# KiCad board UFC_Main.kicad_pcb (continued)
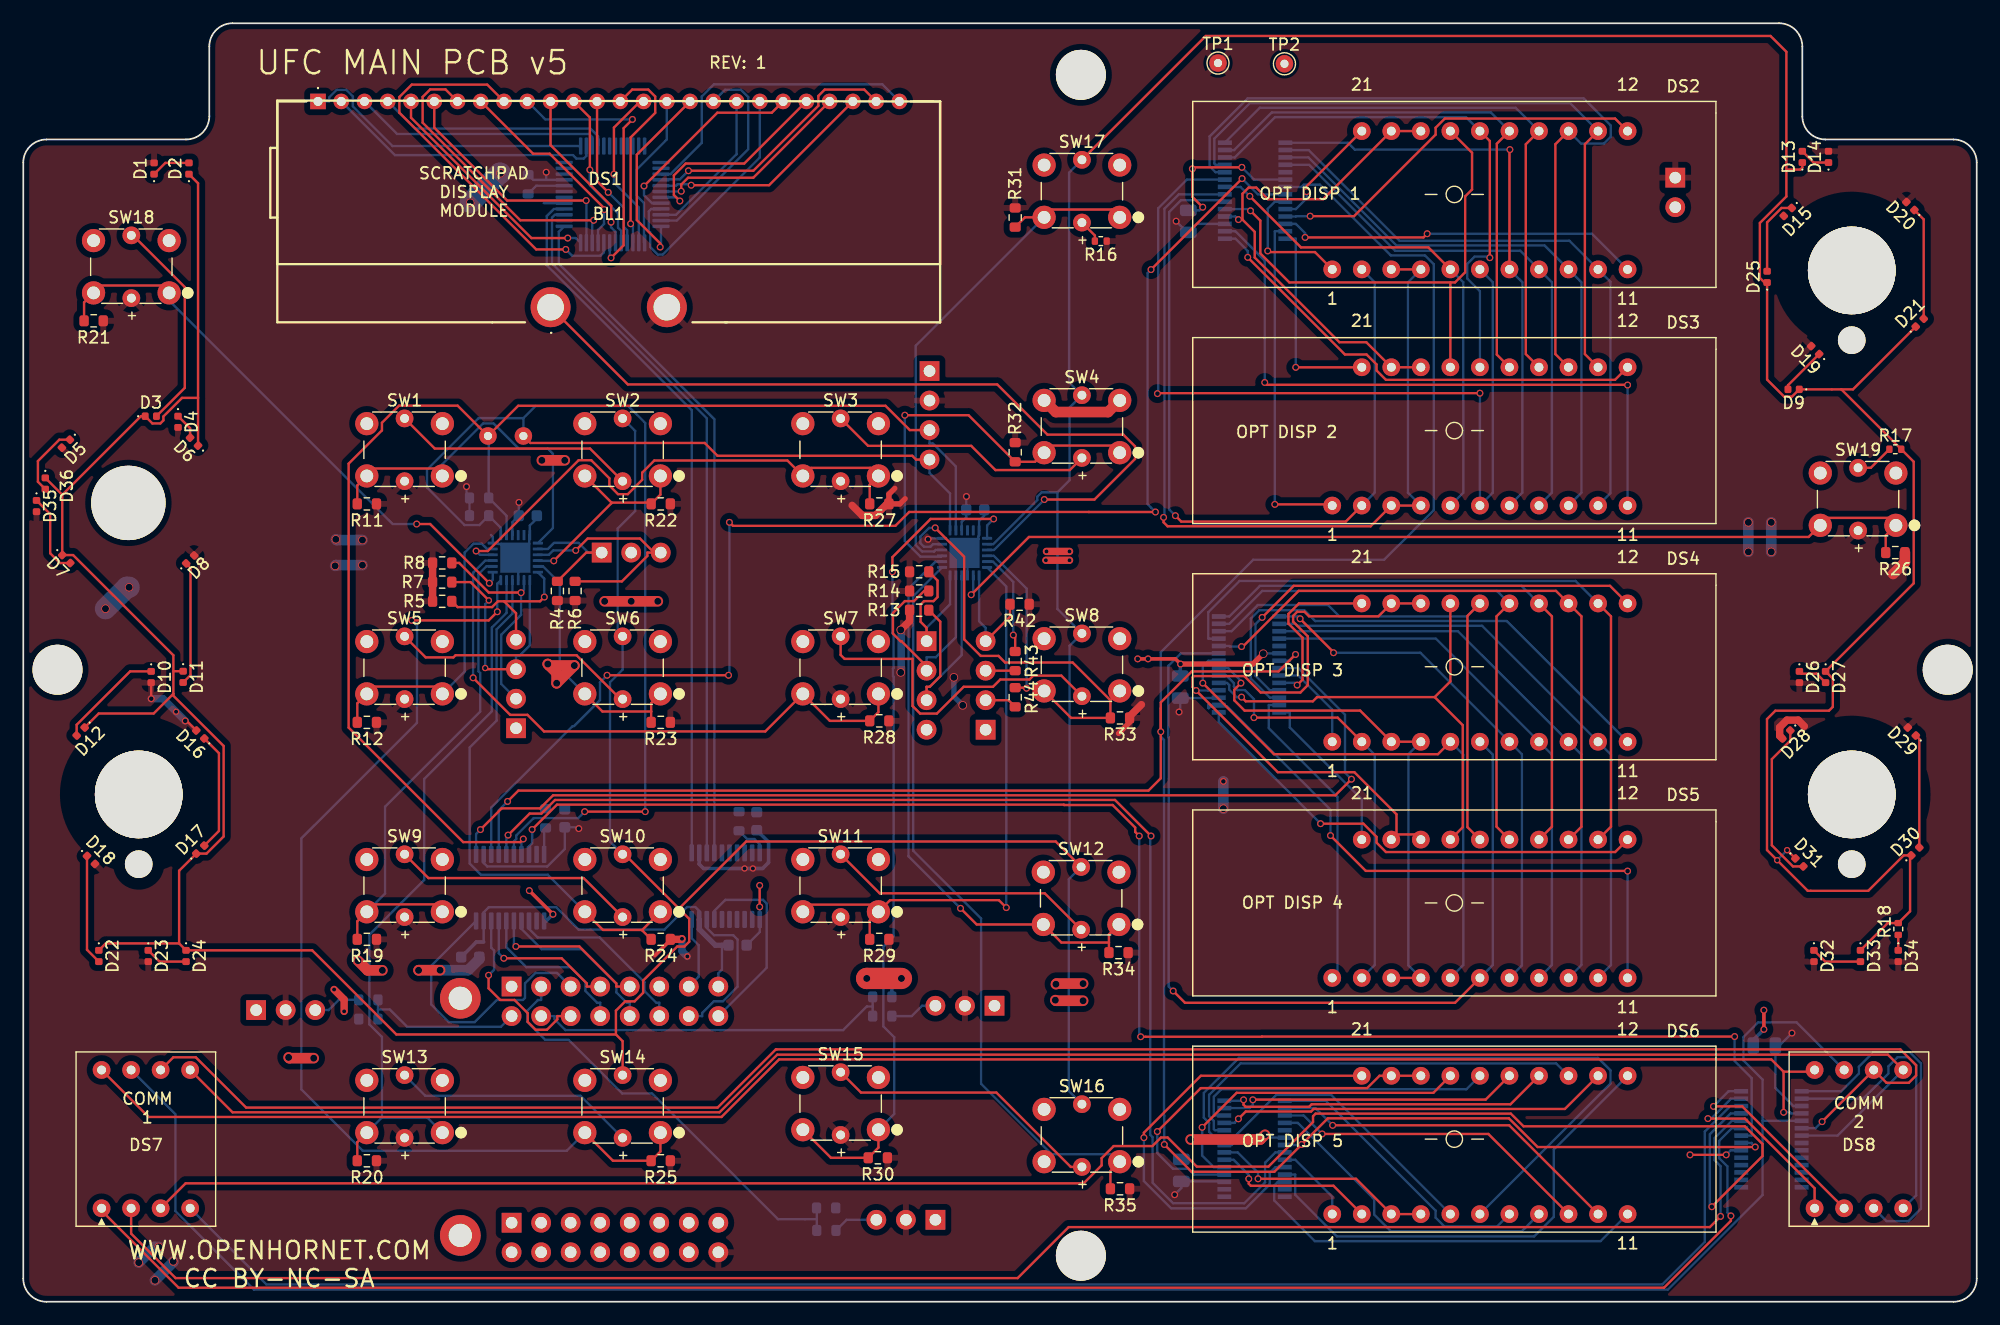
[diagram p0: board, top side]
## Nets (continued)
Net-(U9-Pad16): U9.16

Pads without a net: MC1 ~

## Via types
v1: diameter 0.732, hole 0.61, Top to Bottom, 44 vias
v2: diameter 0.6, hole 0.4, Top to Bottom, 141 vias
v3: diameter 0.55, hole 0.35, Top to Bottom, 15 vias

## Routing (per net, layer and track width the routed paths; a pad name or vN(x,y) marks a point on that pad's centre or on a via; arc(x,y) is an arc through that point)
+3V3: length 33.8
  Bottom w0.203: U9.19 58.14,33.62 57.8,33.96 57.08,33.96 55.14,32.02 47.77,32.02 45.84,33.94 40.04,33.94 39.6,33.5 U8.19 39.6,30.95 ; MC1.8 59.78,28.27 60.09,28.58 60.09,30.67
  Bottom w0.305: C12.2 38.96,30.95 39.6,30.95
  Bottom w0.457: U9.19 58.14,32.06 59.52,30.67 C10.2
+5V: length 121.2
  Top w0.203: D10.2 11,51.89 v2(11.01,51.88) ; D16.2 14.05,49.98 v2(13.93,49.98)
  Top w0.305: 54.32,29.79 55.65,31.12 R24.1
  Top w0.457: 75.84,69.09 75.4,68.65 R27.1 74.45,69.47 74.95,69.98 ; 94.19,48.9 95.15,49.85 R33.1
  Top w0.635: R24.1 56.6,31.18 v3(56.65,31.23) ; R8.1 R7.2 R5.2 ; D28.2 151.05,48.69 151.05,49.42 151.67,50.04 152.65,50.04 153.17,49.52 ; v1(75.46,57.8) 76.22,58.56 R13.1 ; R27.1 74.28,68.65 73.29,67.65 72.15,67.65 71.28,68.52 ; 96.16,51.38 95.15,50.36 R33.1
  Top w0.914: R26.1 161.82,63.63 160.81,62.61
  Bottom w0.203: v2(99.4,50.74) 99.51,50.84 C2.2 102.78,51.94 102.8,51.96 ; 102.8,51.96 U3.17 102.8,51.96 ; U6.21 42.06,67.08 C7.2 42.62,68.76 v2(42.63,68.77) ; 44.97,96.52 U1.9 ; 44.97,96.52 v2(44.97,97.18) ; 44.97,96.52 43.86,96.52 R2.1 ; v2(38.12,70.13) 38.12,69.41 R10.2 R9.1 ; v2(152.11,23.12) 151.02,22.03 C4.2 150.68,18.39 152.24,16.84 152.94,16.84 U5.17 ; 103.34,92.74 U2.17 ; 103.34,92.74 103.34,92.74 ; 103.34,92.74 100.94,92.74 C1.2 100.11,92 v2(99.15,92.97) ; U8.2 39.6,37.75 39.9,37.45 45.06,37.45 46.57,38.96 C11.2 47.66,40.82 v2(47.78,40.71) ; v2(81.11,69.28) 81.1,69.27 C8.2 81.1,67.49 80.7,67.09 U7.21 ; v2(77.81,65.6) 77.89,65.68 U7.18 ; v2(99.02,9.21) 99.6,9.79 C3.2 103.25,10.35 103.29,10.31 U4.17
  Bottom w0.305: 63.08,40.57 64.09,39.55 64.09,37.79 63.59,37.28 v3(62.75,37.28) v3(62.04,37.28) 58.51,37.28 58.13,37.66 58.14,37.67 U9.2
  Bottom w0.457: v1(80.03,53.72) 80.03,52.07 v1(80.8,51.31)
  Bottom w0.635: v2(13.93,49.98) v3(13.14,50.77) 12.02,51.88 v2(11.01,51.88) ; v3(57.11,29.71) 56.65,30.17 v3(56.65,31.23) ; v1(75.46,57.8) 75.5,57.76 75.5,54.18 v1(75.46,54.14)
  Bottom w0.914: v1(11.33,1.85) 12.9,3.42 v1(12.9,3.48) ; v1(29.17,63.38) 26.88,63.38 v1(26.82,63.31) ; v1(148.36,67.06) v1(148.36,64.52) ; v1(11.65,4.72) 11.28,4.72 v1(9.93,3.37) ; v1(26.88,65.6) 26.95,65.54 v1(29.17,65.54) ; v1(150.33,64.52) v1(150.33,67.06) ; v2(103.21,44.77) v1(103.21,42.42)
  Bottom w1.829: v1(9.1,61.47) 8.91,61.47 v1(7.07,59.63) ; v1(38.44,94.56) 40.98,97.1 v1(41.04,97.1)
GND: length 116.8
  Top w0.203: v2(104.8,97.6) 100.67,97.6 v2(100.54,97.48) 100.54,95.06 v2(101.43,94.17) ; v2(146.45,12.64) v2(143.34,12.64) ; v2(63.33,33.98) v2(63.33,35.82)
  Top w0.305: v2(95.84,55.31) v2(96.73,55.31) 99.08,55.31 v2(99.53,54.87) ; v2(45.55,33.34) v2(43.52,35.37) ; v2(149.69,23.44) v2(149.69,25.09)
  Top w0.457: v1(106.64,55.76) 105.75,54.87 v2(99.53,54.87)
  Top w0.635: v3(27.59,24.98) 27.59,26 v3(26.73,26.86) ; v3(89.98,63.8) v3(87.95,63.8) ; v3(89.98,64.56) v3(88,64.56)
  Top w0.914: v1(91.15,27.37) 88.86,27.37 v1(88.81,27.32) ; v1(88.76,25.95) 88.81,25.9 v1(91.15,25.9) ; v1(28.79,29.34) 29.61,28.52 v1(30.88,28.52) ; v1(24.98,20.96) 22.88,20.96 v1(22.82,21.02) ; SW4.2 93.3,76.55 88.8,76.55 SW4.2 ; v1(100.39,13.96) 106.39,13.96 v1(106.79,14.37) ; v1(35.85,28.53) 34.01,28.53 v1(34,28.52) ; v1(54.57,60.27) v1(50,60.27) ; v1(46.57,72.39) v1(44.6,72.39) ; 45.24,54.74 v1(45.11,54.87) 45.87,54.11 v1(45.87,53.22) v1(47.39,54.74) 45.24,54.74
  Top w1.829: v1(75.52,27.82) v1(72.54,27.82)
  Bottom w0.203: U6.18 40.43,65.22 ; U6.18 40.81,65.27 40.89,65.2 41.14,65.2 U6.25 ; U6.18 40.38,65.82 40.22,65.98 ; C8.1 82.65,67.64 82.2,67.2 U7.24 82.2,65.93 82.13,65.86 82.13,65.61 U7.25 81.2,64.18 U7.9 81.2,62.49 ; U1.5 44.76,94.52 ; U6.9 42.56,63.77 U6.25 ; U4.6 107.04,14.12 v1(106.79,14.37) ; v2(104.8,97.6) 105.85,96.55 108.54,96.55 ; U6.25 43.51,65.22 43.51,65.91 U6.24 43.56,66.79 44.17,67.39 C7.1 ; v2(101.43,94.17) 101.16,93.9 C1.1 ; U5.6 146.84,13.03 v2(146.45,12.64) ; v2(63.33,33.98) 63.34,33.97 U9.11 63.34,31.81 C10.1 ; U3.6 106.67,55.79 v1(106.64,55.76)
  Bottom w0.305: v2(45.55,33.34) 44.98,32.76 U8.11 ; C4.1 148.78,22.53 v2(149.69,23.44) ; R37.2 74.7,27.25 ; C2.1 99.51,54.85 v2(99.53,54.87)
  Bottom w0.914: C12.1 39.22,29.49 38.26,28.53 v1(35.85,28.53)
  vias: v1(52.28,60.27)
/0+: length 21
  Bottom w0.203: SW14.5 47.93,17.72 34.58,17.72 SW13.6
/0-: length 534.2
  Top w0.203: 13.4,30.83 D24.1 24.85,30.24 32.09,23 50.97,23 ; 13.4,30.83 13.4,37.08 D17.1 15.76,38.56 17.23,40.03 17.23,47.82 12.91,52.14 12.91,52.31 ; 13.4,30.83 7.1,30.83 D22.1 ; SW14.6 51.55,22.42 50.97,23 ; 156.35,78.5 157.36,78.5 D21.1 ; 156.35,78.5 D9.1 152.11,77.88 151.43,77.88 149.97,79.34 149.97,87.47 ; 156.35,78.5 R17.2 162.58,72.27 162.58,61.82 D27.1 155.62,53.61 155.62,51.18 155.29,50.85 150.68,50.85 149.96,50.13 149.96,38.86 v3(150.84,37.99) 153.47,35.36 158.67,35.36 161.72,38.41 D30.1 162.27,38.41 162.27,33.6 R18.2 160.35,32.58 D33.1 ; 50.97,23 50.97,25.04 51.77,25.85 52.58,25.85 53.31,26.58 53.31,27.63 56.24,30.56 56.86,30.56 57.27,30.98 57.27,32.94 56.39,33.82 ; D12.1 6.49,50.61 11.22,50.61 12.91,52.31 ; 149.97,87.47 149.35,88.09 149.35,92.82 151.63,95.09 151.63,97.41 ; 149.97,87.47 D25.1 ; 56.39,33.82 51.71,38.5 SW10.6 ; 56.39,33.82 62.17,39.6 88.79,39.6 SW12.6 ; SW17.6 101.7,108.91 150.26,108.91 151.63,107.54 151.63,97.41 ; D13.1 153,97.58 152.83,97.41 151.63,97.41 ; 3.35,69.43 D36.1 ; 3.35,69.43 D7.1 4.29,64.24 12.91,55.62 12.91,54.25 ; 3.35,69.43 10.12,76.19 D3.1 11.11,75.57 11.79,75.57 12.05,75.83 12.05,76.17 13.65,77.77 15.03,77.77 ; 15.03,77.77 15.03,96.23 D2.1 ; 15.03,77.77 D6.1 ; 12.91,52.31 12.91,54.25 ; D31.1 v3(151.69,38.85) ; 12.91,54.25 D11.1
  Bottom w0.203: 88.94,69.64 89.98,70.68 89.98,76.94 SW4.6 89.94,79.1 89.94,97.15 SW17.6 ; 88.94,69.64 88.94,59.6 SW8.6 89.98,56.44 89.98,38.41 SW12.6 89.91,36.34 89.91,18.13 SW16.6 ; 88.94,69.64 87.58,69.64 87.21,69.27 87.21,68.98 83.41,65.18 U7.2 ; v3(151.69,38.85) 150.84,38 v3(150.84,37.99) ; SW2.6 52.62,74.93 52.62,68.03 51.12,66.53 51.12,57.68 SW6.6 51.55,54.39 50.46,53.3 50.46,39.59 SW10.6
/1-: length 21
  Top w0.203: SW1.6 35.39,73.41 48.74,73.41 SW2.5
/1AB: length 44.2
  Top w0.203: DS3.19 DS3.20 115.5,82.55 113.19,82.55 105.91,89.84 105.91,92.05 104.85,93.11 ; DS2.19 DS2.20 111.79,94.86 107.04,94.86 106.04,95.86 105.38,95.86 104.85,95.33 104.85,93.11 ; 104.85,93.11 v2(104.51,93.11)
  Bottom w0.203: U2.18 104.24,93.37 v2(104.51,93.11)
/1C: length 45.8
  Top w0.203: 122.73,87.7 123.13,87.7 124,88.57 124,95.1 124.6,95.7 124.6,98.86 DS2.18 ; 122.73,87.7 108.88,87.7 106.39,90.2 106.39,93.02 v2(105.54,93.86) ; 122.73,87.7 DS3.18
  Bottom w0.203: U2.19 105.4,94.01 v2(105.54,93.86)
/1D: length 69.7
  Top w0.203: v2(99.08,67.63) 99.59,67.12 113.73,67.12 DS3.2
  Bottom w0.203: DS2.2 116.22,87.71 116.22,69.61 DS3.2 ; v2(99.08,67.63) 98.55,68.17 98.55,93.76 99.56,94.78 103.2,94.78 U2.20
/1DP: length 46.8
  Bottom w0.203: DS3.8 131.46,69.61 131.46,87.71 DS2.8 128.75,90.43 117.97,90.43 110.59,97.82 108.54,97.82
/1EF: length 79.5
  Top w0.203: v2(98.07,67.49) 98.07,67.06 98.41,66.72 115.87,66.72 DS3.3 DS3.4 ; DS2.3 DS2.4
  Bottom w0.203: U2.21 99.38,95.28 98.14,94.04 98.14,67.56 v2(98.07,67.49) ; DS2.4 119.08,87.71 119.08,69.61 DS3.4
/1G: length 43.6
  Top w0.203: v2(105.49,95.11) 109.88,90.71 120.84,90.71 DS2.5
  Bottom w0.203: U2.22 104.68,95.91 v2(105.49,95.11) ; DS3.5 123.84,69.61 123.84,87.71 DS2.5
/1H: length 81.4
  Top w0.203: v2(97.54,78.13) 97.58,78.17 v2(125.27,78.17)
  Bottom w0.203: v2(125.27,78.17) DS3.6 126.38,69.61 126.38,87.71 DS2.6 ; U2.23 100.07,96.55 97.6,94.08 97.6,78.2 v2(97.54,78.13)
/1I: length 59.6
  Top w0.203: DS2.13 134.3,99.59 134.3,81.54 DS3.13
  Bottom w0.203: U2.25 102.53,97.82 102.43,97.92 102.43,100.07 105.49,103.13 133.03,103.13 DS2.13
/1J: length 67.5
  Top w0.203: DS2.14 131.76,99.59 131.76,81.54 DS3.14
  Bottom w0.203: U2.24 102.53,97.18 102.03,97.69 102.03,100.26 105.3,103.53 134.2,103.53 136.52,101.21 136.52,100.24 135.94,99.65 133.97,99.65 DS2.14
/1K: length 50.4
  Top w0.203: DS3.15 129.22,81.54 129.22,99.59 DS2.15
  Bottom w0.203: DS2.15 128.35,102.73 106.34,102.73 U2.28
/1L: length 47.7
  Top w0.203: DS3.16 126.73,81.49 126.73,99.64 DS2.16
  Bottom w0.203: DS2.16 126.21,102.32 107.37,102.32 104.14,99.09 U2.27
/1M: length 46.7
  Top w0.203: v2(126.13,89.83) 126.13,99.87 DS2.17
  Bottom w0.203: U2.26 104.19,98.45 107.66,101.92 124.07,101.92 DS2.17 ; DS3.17 125.27,86.95 124.17,88.04 124.17,89.28 124.81,89.92 126.03,89.92 v2(126.13,89.83)
/1N: length 49.6
  Bottom w0.203: DS3.9 134,69.61 134,87.71 DS2.9 130.83,90.88 118.09,90.88 110.52,98.45 108.54,98.45
/1O: length 52.4
  Bottom w0.203: DS3.10 136.5,69.57 136.5,87.76 DS2.10 132.97,91.29 118.35,91.29 110.55,99.09 108.54,99.09
/1P: length 51.1
  Top w0.203: v2(127.85,99.13) 127.81,99.09 DS2.7
  Bottom w0.203: v2(127.85,99.13) 114.51,99.13 113.92,99.72 108.54,99.72 ; DS3.7 128.92,69.61 128.92,87.71 DS2.7
/2AB: length 58.5
  Top w0.203: 118.1,40.21 119.75,40.21 DS5.19 ; 118.1,40.21 DS5.20 ; 118.1,40.21 118.1,41.94 114.47,45.56 107.89,45.56 v2(100.86,52.59) 100.56,52.89 100.56,53.73 100.67,53.83 105.01,53.83 106.42,52.42 109.84,52.42 110.47,53.05 110.47,57.25 109.21,58.51 109.21,59.01 109.56,59.36 110.19,59.36 110.57,58.98 116.55,58.98 DS4.20 DS4.19
  Bottom w0.203: v2(100.86,52.59) 101.89,52.59 101.91,52.61 U3.18
/2C: length 41.9
  Top w0.203: v2(104.77,52.02) 105.13,51.66 110.91,51.66 111.27,52.02 121.38,52.02 ; 121.38,52.02 123.8,49.61 123.8,40.83 DS5.18 ; 121.38,52.02 122.73,53.37 DS4.18
  Bottom w0.203: U3.19 103.52,53.25 103.72,53.05 103.72,52.66 104.35,52.02 v2(104.77,52.02)
/2D: length 37
  Top w0.203: DS4.2 113.04,50.26 v2(105.84,50.26)
  Bottom w0.203: v2(105.84,50.26) 105.84,51.84 105.06,52.63 104.43,52.63 104.12,52.94 104.12,53.22 103.46,53.88 U3.20 ; DS4.2 116.22,47.07 116.22,28.97 DS5.2
/2DP: length 47.3
  Bottom w0.203: U3.4 121.48,57.06 DS4.8 131.46,47.07 131.46,28.97 DS5.8
/2EF: length 45.5
  Top w0.203: v2(104.72,53.23) 104.15,52.66 104.15,51.75 105.04,50.86 114.97,50.86 DS4.3 DS4.4 ; DS5.3 DS5.4
  Bottom w0.203: U3.21 103.62,54.52 104.72,53.41 v2(104.72,53.23) ; DS5.4 119.12,28.93 119.12,47.11 DS4.4
/2G: length 48.5
  Top w0.203: DS4.5 121.66,47.11 107.56,47.11 v2(101.44,53.23)
  Bottom w0.203: v2(101.44,53.23) 101.44,54.68 101.91,55.15 U3.22 ; DS4.5 123.84,47.07 123.84,28.97 DS5.5
/2H: length 81.9
  Top w0.203: DS5.6 123.13,25.72 99.91,25.72 v2(98.89,26.74)
  Bottom w0.203: v2(98.89,26.74) 98.51,27.12 98.51,48.57 98.47,48.6 98.47,54.71 99.56,55.79 U3.23 ; DS4.6 126.38,47.07 126.38,28.97 DS5.6
/2I: length 59.8
  Top w0.203: DS4.13 136.54,58.97 136.54,40.87 DS5.13
  Bottom w0.203: DS4.13 133.5,62.02 104.6,62.02 101.91,59.33 101.91,57.06 U3.25
/2J: length 53.8
  Top w0.203: DS5.14 134,40.87 134,58.97 DS4.14 131.81,61.16 109.68,61.16 104.89,56.37 v2(104.77,56.37)
  Bottom w0.203: U3.24 103.72,56.42 103.77,56.37 v2(104.77,56.37)
/2K: length 50.5
  Top w0.203: DS4.15 131.46,58.97 131.46,40.87 DS5.15
  Bottom w0.203: DS4.15 128.84,61.6 106.35,61.6 103.72,58.96 U3.28
/2L: length 47.9
  Top w0.203: DS4.16 126.7,58.97 126.7,40.87 DS5.16
  Bottom w0.203: DS4.16 126.74,61.15 106.54,61.15 103.72,58.33 U3.27
/2M: length 45.5
  Top w0.203: DS4.17 124.2,59.01 124.2,40.84 DS5.17
  Bottom w0.203: DS4.17 124.16,58.97 113.19,58.97 112.21,59.95 106.16,59.95 103.91,57.69 U3.26
/2N: length 50.1
  Bottom w0.203: U3.3 123.38,57.69 DS4.9 134,47.07 134,28.97 DS5.9
/2O: length 52.9
  Bottom w0.203: DS5.10 136.54,28.97 136.54,47.07 DS4.10 125.46,58.16 109.56,58.16 109.39,58.33 U3.2
/2P: length 45.5
  Top w0.203: v2(112.68,55.84) 112.68,55.89 v2(109.81,58.76)
  Bottom w0.203: v2(112.68,55.84) 120.15,55.84 DS4.7 128.88,47.11 128.88,28.93 DS5.7 ; v2(109.81,58.76) 109.61,58.96 U3.1
/3-: length 23
  Top w0.203: SW4.5 90,71.56 83.61,71.56 81.52,73.64 72.65,73.64 SW3.6
/3AB: length 33
  Top w0.203: v2(97.53,14.64) 101.26,18.38 115.57,18.38 116.64,19.44 DS6.20 DS6.19
  Bottom w0.203: v2(97.53,14.64) 97.53,12.8 98.88,11.45 100.18,11.45 100.68,10.95 U4.18
/3C: length 27.9
  Top w0.203: v2(101.38,15.01) 104.35,17.98 121.27,17.98 DS6.18
  Bottom w0.203: U4.19 102.39,11.58 101.38,12.59 v2(101.38,15.01)
/3D: length 14.2
  Top w0.203: v2(105.39,10.58) 105.39,10.15 105.57,9.98 112.68,9.98 DS6.2
  Bottom w0.203: v2(105.39,10.58) 105.39,10.91 104.09,12.22 U4.20
/3DP: length 27.1
  Bottom w0.203: U4.4 109.61,15.39 116.18,8.82 116.18,7.5 117.62,6.06 128.87,6.06 DS6.8
/3EF: length 19.4
  Top w0.203: v2(106.19,10.58) 114.62,10.58 DS6.3 DS6.4
  Bottom w0.203: U4.21 104.44,12.85 106.19,11.1 v2(106.19,10.58)
/3G: length 25.8
  Bottom w0.203: DS6.5 112.48,17.8 107.76,17.8 104.19,14.23 104.19,13.75 103.93,13.49 U4.22
/3H: length 58.7
  Bottom w0.203: DS6.6 136.5,18.77 136.5,19.91 135.43,20.98 104.54,20.98 101.53,17.97 101.53,15.84 101.98,15.39 101.98,14.62 102.49,14.12 U4.23
/3I: length 33.8
  Top w0.203: v2(104.5,15.74) 105.13,16.37 110.75,16.37 110.97,16.59 132.58,16.59 DS6.13
  Bottom w0.203: U4.25 104.19,15.39 104.19,15.43 v2(104.5,15.74)
/3J: length 36.5
  Bottom w0.203: U4.24 102.49,14.76 102.39,14.85 102.39,15.55 101.98,15.96 101.98,17.8 104.69,20.51 131.82,20.51 DS6.14
/3K: length 28.7
  Top w0.203: v2(104.95,17.37) 104.95,16.95 105.12,16.77 110.59,16.77 110.8,16.99 127.9,16.99 DS6.15
  Bottom w0.203: U4.28 104.87,17.3 v2(104.95,17.37)
/3L: length 25.9
  Top w0.203: v2(105.75,17.37) 105.77,17.39 125.76,17.39 DS6.16
  Bottom w0.203: v2(105.75,17.37) 105.75,16.95 105.46,16.66 U4.27
/3M: length 26.1
  Bottom w0.203: U4.26 102.49,16.03 102.39,16.12 102.39,17.64 103.03,18.28 124.11,18.28 DS6.17
/3N: length 27.9
  Top w0.203: DS6.9 126,14.44 v2(111.7,14.44)
  Bottom w0.203: U4.3 110.11,16.03 v2(111.7,14.44)
/3O: length 30.7
  Top w0.203: v2(112.61,15.18) 127.8,15.18 DS6.10
  Bottom w0.203: U4.2 111.13,16.66 v2(112.61,15.18)
/3P: length 24.6
  Bottom w0.203: U4.1 112.01,17.3 121.46,7.84 121.46,7.23 122.23,6.47 126.74,6.47 DS6.7
/4-: length 21.1
  Top w0.203: SW5.6 34.61,55.44 36.99,55.44 37.18,55.63 47.58,55.63 51.36,51.85 SW6.5
/6-: length 29.2
  Top w0.203: SW8.5 89.28,53.87 86.86,53.87 86.53,53.54 84.03,53.54 83.4,52.91 80.87,52.91 78.57,50.6 77.13,50.6 76.48,51.26 76.48,55.31 70.64,55.31 70.3,55.65 SW7.6 70.6,57.25
/7-: length 21
  Top w0.203: SW9.6 34.84,36.45 48.19,36.45 SW10.5
/9-: length 23.4
  Top w0.203: SW11.6 73.65,35.14 87.84,35.14 SW12.5
/ADF1: length 10.9
  Top w0.203: J9.1 48.41,64.46 R4.2
  Bottom w0.203: U6.2 45.12,64.77 45.64,65.29 47.76,65.29 48.59,64.46 J9.1
/ADF2: length 19.6
  Top w0.203: J9.3 54.25,64.46 ; 54.25,64.46 53.04,65.67 48.54,65.67 v2(47.51,64.64) ; 54.25,64.46 53.67,64.46 53.67,64.17 51.48,61.98 R6.1
  Bottom w0.203: U6.3 45.2,64.27 45.58,64.64 v2(47.51,64.64)
/BIT_SW: length 9.9
  Top w0.203: R42.2 84.86,58.93 J6.4
  Bottom w0.203: U7.7 82.2,58.55 82.76,57.99 J6.4
/C_GRID1: length 156.6
  Top w0.203: 151.39,19.79 153.91,19.79 DS8.8 ; 151.39,19.79 150.33,20.85 65,20.85 60.05,15.9 10.78,15.9 DS7.8 ; 151.39,19.79 v2(151.39,16.3)
  Bottom w0.203: U5.18 152.04,16.2 151.94,16.3 v2(151.39,16.3)
/C_GRID2: length 184.9
  Bottom w0.203: 149.58,15.57 149.58,9.19 141.44,1.04 19.84,1.04 13.09,7.8 13.09,16.13 DS7.7 ; 149.58,15.57 149.58,19.12 147.93,20.77 147.93,22.78 149.19,24.04 152.5,24.04 156.6,19.94 ; 149.58,15.57 U5.19
/C_GRID3: length 169.4
  Top w0.203: 159.14,19.94 160.24,18.84 162.16,18.84 162.78,19.46 162.78,20.36 161.43,21.71 64.72,21.71 59.71,16.7 19.17,16.7 14.84,21.03 12.91,21.03 DS7.6 ; 159.14,19.94 v2(154.7,15.5) ; 159.14,19.94 DS8.6
  Bottom w0.203: v2(154.7,15.5) 154.14,14.93 U5.20
/C_GRID4: length 162.5
  Top w0.203: DS7.5 18,16.3 59.88,16.3 64.84,21.26 160.36,21.26 DS8.5
  Bottom w0.203: DS8.5 156.03,14.3 U5.21
/C_SEG1: length 155.1
  Top w0.203: v2(146.86,7.39) 146.86,6.96 141.1,1.21 13.36,1.21 6.74,7.83 DS7.1
  Bottom w0.203: v2(146.86,7.39) 146.56,7.69 146.56,11.65 145.85,12.35 145.85,13.85 146.94,14.93 U5.9
/C_SEG2: length 152.5
  Top w0.203: DS7.2 9.28,5.86 13.1,2.04 85.52,2.04 89.91,6.42 145.05,6.42 v2(145.97,7.35)
  Bottom w0.203: U5.10 146.94,15.57 145.45,14.08 145.45,12.18 145.97,11.66 v2(145.97,7.35)
/C_SEG3: length 161.9
  Top w0.203: v2(145.21,8.18) 149.57,12.54 149.57,13.57 148.05,15.1 129.02,15.1 127.93,16.18 111.14,16.18 110.92,15.97 110.92,15.46 107.08,11.62 100.93,11.62 98.42,14.13 97.84,14.13 97.11,13.39 93.78,13.39 92.74,12.36 92.74,11.74 91.19,10.19 13.96,10.19 DS7.3
  Bottom w0.203: U5.11 146.84,16.2 145.05,14.41 145.05,8.34 v2(145.21,8.18)
/C_SEG4: length 148
  Bottom w0.203: U5.12 146.81,16.84 144.61,14.64 144.61,5.15 140.96,1.5 20.9,1.5 DS7.4
/C_SEG5: length 17
  Top w0.203: v2(144.88,15.76) 148.06,15.76 154.06,9.77 DS8.1
  Bottom w0.203: v2(144.88,15.76) 145.16,15.76 146.84,17.44 146.84,17.47 U5.13
/C_SEG6: length 17.8
  Top w0.203: v2(145.36,16.81) 147.83,16.81 156.6,8.04
  Bottom w0.203: U5.14 146.66,18.11 v2(145.36,16.81)
/C_SEG7: length 29.9
  Bottom w0.203: DS8.3 160.24,6.94 162.13,6.94 163.2,8.01 163.2,20.51 162.23,21.48 159.12,21.48 157.87,20.22 157.87,19.64 156.34,18.11 U5.15
/C_SEG8: length 24.7
  Bottom w0.203: U5.16 158.24,17.47 160.41,19.64 160.41,20.25 161.2,21.04 162.09,21.04 162.79,20.34 162.79,9.16 DS8.4
/CLR-: length 24.1
  Top w0.203: SW15.6 72.05,18 83.69,18 90.09,11.6 SW16.5
/COM0: length 25.7
  Bottom w0.203: DS1.1 26.32,103.27 26.32,103.64 26.95,104.27 27.78,104.27 28.35,103.7 28.35,102.84 31.76,99.43 U1.13
/COM1: length 24.1
  Bottom w0.203: U1.14 48.43,98.59 48.2,98.35 47.57,98.35 47.27,98.66 31.97,98.66 DS1.2
/COM2: length 21.6
  Bottom w0.203: DS1.3 32.15,100.47 48.67,100.47 48.93,100.21 U1.15
/COM3: length 20.2
  Bottom w0.203: DS1.4 33.68,100.94 48.77,100.94 49.43,100.28 U1.16
/EM-: length 3.4
  Top w0.203: R17.1 158.89,71.75 SW19.6
/ENC1+: length 14.6
  Top w0.203: R5.1 37.35,59.77 40.32,59.77 40.82,60.27 41.35,60.27 ; J2.4 42.38,59.24 41.35,60.27 ; v2(44.81,60.63) 44.44,60.27 41.35,60.27
  Bottom w0.203: U6.6 44.81,62.21 v2(44.81,60.63)
/ENC1-: length 20.8
  Top w0.203: v3(39.73,54.53) 39.83,54.42 J2.3 ; R7.1 38.47,61.92 v3(40.04,60.34)
  Bottom w0.203: v3(40.04,60.34) 39.73,60.03 v3(39.73,54.53) ; U6.7 43.56,56.47 42.67,55.58 42.38,55.58 J2.3
/ENC1PB: length 18.6
  Top w0.203: v2(42.81,61.01) 42.8,61.02 40.03,61.02 37.49,63.57 R8.2
  Bottom w0.203: U6.8 43.06,61.26 v2(42.81,61.01) 42.81,59.1 41.11,57.4 41.11,53.15 42.38,51.88
/ENC2+: length 14.1
  Top w0.203: J7.1 77.68,57.99 77.17,58.5 77.17,59.99 77.47,60.28 78.28,60.28 78.63,60.63 78.63,62.05 R15.2
  Bottom w0.203: J7.1 77.68,57.99 79.7,60.01 U7.12
/ENC2-: length 19.8
  Top w0.203: R14.1 77.47,61.15 76.6,60.28 75.82,60.28 74.8,59.26 74.8,57.48 75.44,56.84 75.52,56.84 77.68,54.68 J7.2
  Bottom w0.203: J7.2 77.68,55.45 78.48,55.45 80.2,57.18 U7.11
/ENC2PB: length 21
  Top w0.203: J7.3 77.68,52.91 77.95,52.91 78.86,53.82 78.86,58.51 R13.2
  Bottom w0.203: U7.10 80.7,55.64 77.97,52.91 77.68,52.91 J7.3
/GO_LED: length 2.8
  Top w0.203: J6.2 84.73,51.76 R44.2
/IP-: length 18.6
  Top w0.203: D3.2 13.89,78.63 13.89,87.3 9.44,91.75 SW18.6
/NOGO_LED: length 2.5
  Top w0.203: J6.3 85.3,54.3 R43.2
/OP1+: length 2.1
  Top w0.203: SW17.5 92.16,91.74 R16.2
/OP1D1: length 11.8
  Top w0.203: v2(107.03,90.41) 106.93,90.31 111.08,90.31 DS2.1
  Bottom w0.203: v2(107.03,90.41) 107.03,94.04 107.63,94.64 108.54,94.64
/OP1D2: length 10
  Top w0.203: v2(110.37,95.51) 110.37,95.98 DS2.21
  Bottom w0.203: 108.54,94.01 109.44,94.01 110.37,94.95 v2(110.37,95.51)
/OP1D3: length 33.7
  Top w0.203: v2(110.68,93.4) 114.45,93.4 121.46,100.42 121.46,101.01 122.25,101.8 136.9,101.8 DS2.12
  Bottom w0.203: v2(110.68,93.4) 109.47,93.4 109.44,93.37 108.54,93.37
/OP1D4: length 31.5
  Top w0.203: v2(110.24,91.57) 120.42,91.57 v2(120.74,91.89)
  Bottom w0.203: v2(110.24,91.57) 110.24,91.94 109.44,92.74 108.54,92.74 ; DS2.11 134.91,91.89 v2(120.74,91.89)
/OP2D1: length 29.4
  Top w0.203: v2(107.63,68.61) 112.47,68.61 DS3.1
  Bottom w0.203: v2(107.63,68.61) 107.63,92.1 108.54,92.1 ; DS3.1 112.53,68.46
/OP2D2: length 17.7
  Top w0.203: v2(109.43,80.39) 115.11,80.39
  Bottom w0.203: 115.11,80.39 DS3.21 ; 108.54,91.47 109.44,91.47 109.44,80.4 v2(109.43,80.39)
/OP2D3: length 40.7
  Top w0.203: v2(105.31,89.86) 113.66,81.5 115.52,81.5 116.38,80.64 116.38,80.13 117.19,79.32 136.89,79.32 DS3.12
  Bottom w0.203: v2(105.31,89.86) 105.31,90.4 104.24,91.47 U2.15
/OP2D4: length 56.6
  Top w0.203: v2(137.97,78.87) 137.95,78.89 106.97,78.89 v2(106.77,79.09)
  Bottom w0.203: v2(137.97,78.87) DS3.11 ; v2(106.77,79.09) 106.77,89.58 104.24,92.1 U2.16
/OP3D1: length 8.5
  Bottom w0.203: DS4.1 112.57,50.96 109.65,53.88 U3.9
/OP3D2: length 15.1
  Top w0.203: DS4.21 109.71,60.08 108.8,59.18 108.8,58.35 110.02,57.13 110.02,53.52 v2(109.56,53.06)
  Bottom w0.203: v2(109.56,53.06) 109.37,53.25 U3.10
/OP3D3: length 41
  Top w0.203: v2(106.54,58.88) 109.26,61.6 136.46,61.6 DS4.12
  Bottom w0.203: U3.11 107.21,52.61 105.97,53.85 105.97,58.31 v2(106.54,58.88)
/OP3D4: length 45.7
  Bottom w0.203: U3.12 107.21,51.98 105.57,53.62 105.57,58.77 106.29,59.49 110.18,59.49 111.11,58.56 127.59,58.56 DS4.11
/OP4D1: length 27
  Bottom w0.203: DS5.1 113.02,28.31 113.02,43.44 107.11,49.35 107.11,51.34 U3.13
/OP4D2: length 14.4
  Bottom w0.203: DS5.21 115.11,43.22 108.92,49.42 108.92,50.71 U3.14
/OP4D3: length 41.3
  Top w0.203: DS5.12 136.9,38.69 117.19,38.69 116.38,39.5 116.38,40 115.25,41.13 v2(111.57,41.13)
  Bottom w0.203: U3.15 102.82,49.89 v2(111.57,41.13)
/OP4D4: length 53.6
  Top w0.203: v2(137.97,37.05) 137.97,37.07 115.46,37.07 v2(112.42,40.11)
  Bottom w0.203: U3.16 101.91,51.34 101.91,51.12 101.96,51.07 102.09,51.21 103.54,51.21 112.42,42.33 v2(112.42,40.11) ; DS5.11 v2(137.97,37.05)
/OP5D1: length 6.9
  Bottom w0.203: DS6.1 112.57,9.03 109.39,12.22 U4.9
/OP5D2: length 40.1
  Top w0.203: v2(96.38,14.12) 96.38,14.54 101.28,19.44 DS6.21
  Bottom w0.203: U4.10 107.69,11.58 107.2,11.09 107.2,10.12 107.18,10.11 107.18,10.09 105.13,8.04 98.72,8.04 96.38,10.39 v2(96.38,14.12)
/OP5D3: length 41.8
  Bottom w0.203: DS6.12 131.62,13.09 131.62,7.3 129.94,5.62 112.97,5.62 109.39,9.2 109.39,10.95 U4.11
/OP5D4: length 35.1
  Bottom w0.203: U4.12 107.89,10.31 107.59,10.01 107.59,8.71 111.08,5.22 135.65,5.22 DS6.11
/SEG0: length 20.4
  Top w0.203: v2(46.83,91.52) 43.7,91.52 33.35,101.87 DS1.5
  Bottom w0.203: v2(46.83,91.52) 47.53,91.52 U1.48
/SEG1: length 21.6
  Top w0.203: DS1.6 35.35,101.01 41.62,94.75 v2(48.41,94.75)
  Bottom w0.203: v2(48.41,94.75) 48.43,94.72 U1.47
/SEG2: length 26.1
  Top w0.203: v2(49.06,93.05) 42.74,93.05 34.35,101.44 34.35,103.66 34.99,104.31 36.31,104.31 DS1.7
  Bottom w0.203: U1.46 48.93,92.93 v2(49.06,93.05)
/SEG3: length 17.6
  Top w0.203: v2(49.96,93.97) 49.96,94.08 45.27,98.78 43.84,98.78 DS1.8
  Bottom w0.203: v2(49.96,93.97) 49.95,93.95 49.95,92.74 49.43,92.22 U1.45
/SEG4: length 35
  Top w0.203: DS1.9 39.9,104.72 33.41,104.72 32.35,103.66 32.35,102.3 44.11,90.54 v2(46.66,90.54)
  Bottom w0.203: v2(46.66,90.54) 47.19,90 49.64,90 49.93,90.29 U1.44
/SEG5: length 23.7
  Top w0.203: v2(52.39,101.73) 51.63,100.97 51.63,90.89 v2(50.55,89.81)
  Bottom w0.203: v2(52.39,101.73) 44.89,101.73 DS1.10 ; v2(50.55,89.81) 50.43,89.93 U1.43
/SEG6: length 14.5
  Top w0.203: DS1.11 45.35,99.51 50.56,94.3 50.56,92.9 v2(50.55,92.89)
  Bottom w0.203: v2(50.55,92.89) 50.55,92.44 50.93,92.06 U1.42
/SEG7: length 13.9
  Top w0.203: v2(48.73,97.38) 48.73,101.89 DS1.12
  Bottom w0.203: U1.41 51.43,92.13 51.15,92.41 51.15,93.63 48.73,96.05 v2(48.73,97.38)
/SEG8: length 13.2
  Top w0.203: DS1.13 49.35,96.41 v2(50.31,95.45)
  Bottom w0.203: v2(50.31,95.45) 51.63,94.13 51.63,92.5 51.93,92.2 U1.40
/SEG9: length 17.2
  Top w0.203: DS1.14 52.37,104.29 53.75,104.29 54.35,103.7 54.35,102.29 52.23,100.17 v2(52.23,92.75)
  Bottom w0.203: v2(52.23,92.75) 52.43,92.55 U1.39
/SEG10: length 14.3
  Top w0.203: DS1.15 53.05,103.27 50.8,101.02 v2(50.8,97.01)
  Bottom w0.203: U1.38 52.93,94.16 50.8,96.29 v2(50.8,97.01)
/SEG11: length 13.5
  Bottom w0.203: DS1.16 55.35,100.01 52.76,97.42 52.76,95.16 53.39,94.53 53.39,91.16 U1.37
/SEG12: length 17.1
  Top w0.203: v2(54.78,90.74) 54.78,91.06 52.77,93.07 52.77,98.69 DS1.17
  Bottom w0.203: v2(54.78,90.74) 54.85,90.81 U1.36
/SEG13: length 18.2
  Bottom w0.203: U1.35 56.2,93.02 62.35,99.17 62.35,103.65 61.72,104.28 60.36,104.28 DS1.18
/SEG14: length 13.2
  Bottom w0.203: DS1.19 61.35,98.74 56.13,93.52 U1.34
/SEG15: length 22.2
  Bottom w0.203: U1.33 54,94.02 53.8,93.82 53.8,92.13 53.91,92.01 53.91,90.75 54.57,90.09 54.98,90.09 63.35,98.46 DS1.20
/SEG16: length 17.5
  Top w0.203: DS1.21 64.38,102.3 59.69,102.3 v2(53.38,96)
  Bottom w0.203: v2(53.38,96) 53.38,95.21 54.07,94.52 U1.32
/SEG17: length 18.2
  Top w0.203: DS1.22 62,97.93 56.97,97.93 55.95,96.91 55.95,95.22 v2(56.47,94.71)
  Bottom w0.203: U1.31 56.15,95.02 v2(56.47,94.71)
/SEG18: length 18
  Top w0.203: v2(56.59,95.55) 56.59,96.12 57.17,96.71 62.78,96.71 DS1.23
  Bottom w0.203: U1.30 56.56,95.52 v2(56.59,95.55)
/SEG19: length 19.6
  Top w0.203: v2(57.44,96.07) 64.14,96.07 DS1.24
  Bottom w0.203: v2(57.44,96.07) 57.36,96.15 56.27,96.15 56.14,96.02 U1.29
/SEG20: length 22.6
  Top w0.203: v2(57.21,97.31) 62.78,97.31 68.38,102.9 68.38,103.74 68.93,104.29 72.33,104.29 DS1.25
  Bottom w0.203: U1.28 54.89,96.57 56.47,96.57 v2(57.21,97.31)
/SEG21: length 26.6
  Bottom w0.203: DS1.26 73.88,104.74 59.4,104.74 58.35,103.7 58.35,99.71 55.66,97.02 U1.27
/SW1: length 31.1
  Top w0.203: R11.2 28.73,70.23 SW1.1 30.19,71.69 35.4,71.69 SW1.1
  Bottom w0.203: U6.1 45.55,66.57 45.55,72.96 45.11,73.41 42.61,73.41 40.44,75.57 39.55,75.57 36.05,72.07 SW1.1
/SW2: length 17.9
  Top w0.203: 50.58,68.75 50.58,68.76 SW2.1 ; 50.58,68.75 53.89,68.75 R22.2 54.8,69.44 SW2.1 ; 50.58,68.75 50.58,68.71 v2(45.62,63.74)
  Bottom w0.203: U6.4 44.28,63.74 v2(45.62,63.74)
/SW3: length 46.4
  Top w0.203: v2(38.95,64.59) 39.95,64.59 47.76,72.4 48.85,72.4 50.41,70.84 50.41,70.23 51.15,69.48 51.99,69.48 53.23,70.72 53.23,71.33 54.27,72.38 65.71,72.38 SW3.1 67.74,71.75 72.85,71.75 SW3.1 72.8,70.3 R27.2
  Bottom w0.203: U6.16 39.27,64.27 v2(38.95,64.59)
/SW4: length 25.7
  Top w0.203: R12.2 28.73,51.48 SW5.1 30.17,52.93 35.42,52.93 SW5.1
  Bottom w0.203: U6.17 39.89,64.77 39.43,65.22 38.72,65.22 37.96,64.46 37.96,54.21 SW5.1
/SW5: length 22
  Top w0.203: 54,50.79 54,51.5 SW6.1 ; 54,50.79 49.81,50.79 SW6.1 ; 54,50.79 R23.2
  Bottom w0.203: U6.5 44.7,63.27 46.14,61.84 46.14,54.46 SW6.1
/SW6: length 52.1
  Top w0.203: v2(38.69,53.68) 41.87,50.5 43.36,50.5 44.79,49.07 63.81,49.07 SW7.1 69.37,49.98 R28.2 73.55,50.73 SW7.1
  Bottom w0.203: U6.15 39.73,63.77 38.69,62.73 v2(38.69,53.68)
/SW7: length 44.4
  Top w0.203: R19.2 28.73,32.73 SW9.1 30.19,34.19 35.4,34.19 SW9.1
  Bottom w0.203: SW9.1 31.11,35.12 31.11,42.59 39.29,50.77 39.29,54.1 39.15,54.25 39.15,62.59 39.82,63.27 U6.14
/SW8: length 46.4
  Top w0.203: SW10.1 49.85,31.99 53.23,31.99 ; R24.2 53.23,31.95 53.23,31.99 ; 53.23,31.99 54.79,33.55 SW10.1
  Bottom w0.203: U6.10 42.06,59.2 40.7,57.84 40.7,50 38.39,47.68 38.39,37.7 39.35,36.74 45.1,36.74 SW10.1
/SW9: length 51.3
  Top w0.203: SW11.1 74.55,34.55 83.9,34.55 v2(84.54,33.91) ; SW11.1 72.93,34.17 67.66,34.17 SW11.1 ; SW11.1 72.8,32.8 R29.2
  Bottom w0.203: v2(84.54,33.91) 84.54,61.53 U7.6
/SW10: length 72
  Top w0.203: v2(83.45,67.35) 78.03,67.35 74.75,64.06 v2(74.75,62.8) ; SW15.1 73.55,13.26 R30.2 69.46,12.39 SW15.1
  Bottom w0.203: v2(74.75,62.8) 74.75,57.53 74.85,57.42 74.85,54.52 74.8,54.46 74.8,53.82 74.85,53.77 74.85,31.43 73.97,30.54 73.97,23.69 74.9,22.76 74.9,16.16 SW15.1 ; U7.1 82.89,66.79 v2(83.45,67.35)
/SW11: length 61.9
  Top w0.203: SW13.1 28.73,13.73 R20.2
  Bottom w0.203: 30.85,15.85 30.85,22.78 29.77,23.86 29.77,31.57 34.48,36.29 34.48,44.98 40.3,50.81 40.3,58.01 41.56,59.27 U6.11 ; 30.85,15.85 SW13.1 ; 30.85,15.85 34.74,15.85 SW13.1
/SW12: length 91.8
  Top w0.203: SW14.1 54.8,12.93 R25.2 50.71,12.13 SW14.1 ; v2(33.41,58.62) 40.03,58.62 v2(40.77,59.37)
  Bottom w0.203: SW14.1 46.74,12.99 29.2,12.99 23.91,18.28 23.91,39.87 33.86,49.82 33.86,58.17 v2(33.41,58.62) ; v2(40.77,59.37) 40.77,61.79 U6.12
/SW13: length 49.1
  Top w0.203: R21.2 5.23,85.99 SW18.1 6.68,87.44 11.91,87.44 SW18.1 ; v2(40.08,61.82) 34.99,66.91 v2(33.84,66.91)
  Bottom w0.203: U6.13 40.38,62.12 v2(40.08,61.82) ; SW18.1 12.55,86.14 31.77,66.91 v2(33.84,66.91)
/SW14: length 45.2
  Top w0.203: SW17.1 93.62,93.97 88.47,93.97 SW17.1 86.14,93.3 R31.2
  Bottom w0.203: U7.16 78.46,64.68 78.34,64.55 77.3,64.55 76.75,65.11 76.75,82.25 SW17.1
/SW15: length 35.6
  Top w0.203: v2(75.81,76.28) 81.29,76.28 R32.2 87.01,72.27 SW4.1 88.41,73.67 93.68,73.67 SW4.1
  Bottom w0.203: U7.15 78.94,64.11 77.16,64.11 75.81,65.46 v2(75.81,76.28)
/SW16: length 38.9
  Top w0.203: SW8.1 93.5,51.75 ; 93.5,51.75 90.25,55 84.44,55 83.87,55.57 82.35,55.57 80.92,56.99 80.92,64.09 v2(78.43,66.58) ; 93.5,51.75 R33.2 90.11,50.23 SW8.1
  Bottom w0.203: U7.17 78.24,65.18 78.03,64.96 77.46,64.96 77.15,65.27 77.15,65.83 77.91,66.58 v2(78.43,66.58)
/SW17: length 50
  Top w0.203: v2(80.6,33.85) 81.99,32.46 SW12.1 89.28,30.91 93.37,30.91 ; 93.37,30.91 93.37,31.6 SW12.1 ; 93.37,30.91 R34.2
  Bottom w0.203: v2(80.6,33.85) 76.13,38.32 76.13,61.36 78.45,63.68 U7.14
/SW18: length 66.1
  Top w0.203: SW16.1 93.5,11.25 R35.2
  Bottom w0.203: U7.13 76.53,60.7 76.53,38.81 82.37,32.97 82.37,18.75 88.44,12.69 ; 88.44,12.69 93.65,12.69 SW16.1 ; 88.44,12.69 SW16.1
/SW19: length 87
  Top w0.203: R26.2 160.17,65.93 SW19.1 160.4,67.44 155.19,67.44 SW19.1 153.55,65.8 86.49,65.8 v2(81.52,60.83)
  Bottom w0.203: v2(81.52,60.83) 81.7,61.01 U7.8
/TNLEDPWR: length 72.3
  Top w0.203: BL1.1 51.99,78.93 83.76,78.93 88.08,74.61 94.61,74.61 95.61,73.6 95.61,72.51 92.12,69.02 v2(87.81,69.02)
  Bottom w0.203: v2(87.81,69.02) 87.81,69.01 83.48,64.68 U7.3
